# Altium PCB ganhuangguan3.PcbDoc
Units mm, origin at the board's own origin, x right, y up, seen from the top; angles counter-clockwise.
Board outline 197.26 x 14.07 mm, 2 copper layers (Top Layer, Bottom Layer); 17 components, 34 nets, 35 pads, 2 vias.
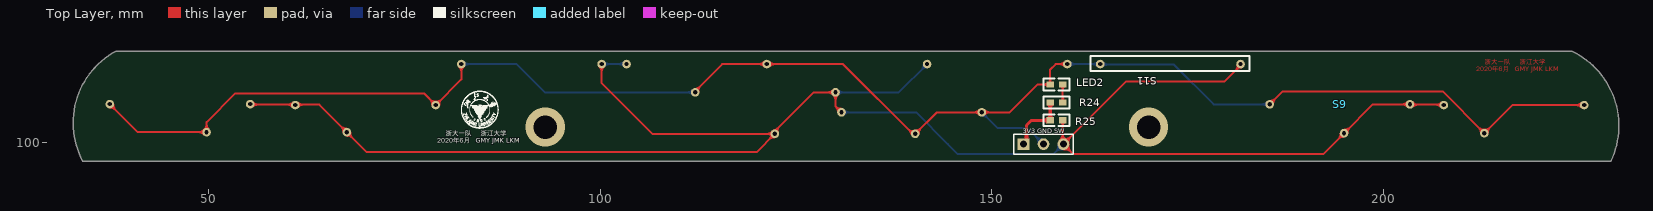
[diagram p0: Top Layer view]
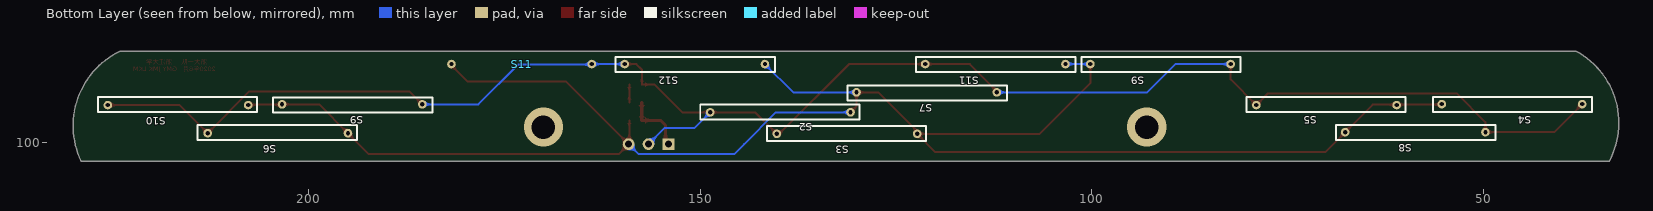
[diagram p1: Bottom Layer view, seen from below]

## Layer stack, top to bottom
Top Solder: solder mask 0.0102, Solder Resist, Dk 3.5
Top Layer: signal copper 0.0356
Dielectric 1: dielectric 0.32, FR-4, Dk 4.8
Bottom Layer: signal copper 0.0356
Bottom Solder: solder mask 0.0102, Solder Resist, Dk 3.5

## Board outline
33.998,97.616 cw(c43.148,102.537) 38.227,111.687 224.029,111.687 cw(c219.469,102.175) 228.981,97.616

## Design rules (kind name [scope] priority, off if disabled: settings)
Clearance [All] p1: gap=0.254 ignorepadtopadclearanceinfootprint=FALSE except(0: Arc-Hole Track-Hole SMDPad-Hole THPad-Hole Via-Hole Fill-Hole Poly-Hole Region-Hole Text-Hole)
MinimumSolderMaskSliver [All] p1: minsoldermaskwidth=0.051
PolygonConnect [All] p1: connectstyle=Relief reliefconductorwidth=0.254 reliefentries=4 polygonreliefangle="90 Angle" airgapwidth=0.254
RoutingVias [All] p1: holewidth=0.711 width=1.27 viastyle="Through Hole" minholewidth=0.711 minwidth=1.27 maxholewidth=0.711 maxwidth=1.27
SilkToSilkClearance [All] p1: silktosilkclearance=0.051
SilkToSolderMaskClearance [IsPad] p1: minsilkscreentomaskgap=0.051 clearancetoexposedcopper=TRUE
SolderMaskExpansion [All] p1: expansion=0.102
Width [All] p1: maxlimit=0.6 minlimit=0.254 preferedwidth=0.254
27 further rules are at their usual default settings.

## Classes and differential pairs
component class Ganhuangguan: LED2 S2 S3 S4 S5 S6 S7 S8 S9

## Components (designator, comment, footprint, x,y, rotation, side; value= is the part's Value field where it differs from the comment)
"3V3 GND SW" "Comment" HDR1X3 154.051,99.822 r0 top
LED2 "0" 0603C 158.242,107.442 r180 top
R24 "Res2" 0603R 158.242,105.156 r180 top value=2.2k
R25 "Res2" 0603C 158.242,102.87 r180 top value=10k
S2 "SW-SPST" SW_REED 148.717,103.886 r180 bottom
S3 "SW-SPST" SW_REED 140.208,101.133 r180 bottom
S4 "SW-SPST" SW_REED 37.433,104.934 r0 bottom
S5 "SW-SPST" SW_REED 79.026,104.807 r180 bottom
S6 "SW-SPST" SW_REED 212.852,101.219 r180 bottom
S7 "SW-SPST" SW_REED 112.141,106.426 r0 bottom
S8 "SW-SPST" SW_REED 49.784,101.346 r0 bottom
S9 "SW-SPST" SW_REED 82.296,110.045 r0 bottom (schematic designator S7)
S9 "SW-SPST" SW_REED 185.452,104.902 r0 top
S10 "SW-SPST" SW_REED 225.584,104.807 r180 bottom (schematic designator S6)
S11 "SW-SPST" SW_REED 103.378,110.045 r0 bottom (schematic designator S7)
S11 "SW-SPST" SW_REED 163.83,110.045 r0 bottom (schematic designator S9)
S12 "SW-SPST" SW_REED 141.732,110.045 r0 bottom (schematic designator S7)

## Footprints (in the part's own frame and the unit in brackets; to place one, negate y for a bottom-side part, rotate by r counter-clockwise, add the part's x,y. Pads: shape width x height; smd on the part's side, far side on the other; paste and mask are expansions set on the pad)
0603C [mil]
  rect 37.5x31 smd: 1(-31.25,0) 2(31.25,0)
  silkscreen extent -65,-30 65,30
0603R [mil]
  rect 37.5x31 smd: 1(-31.25,0) 2(31.25,0)
  silkscreen extent -65,-30 65,30
HDR1X3 [mm] "Connector; Header; 3 Position"
  rect 1.5x1.5 hole 0.9: 1(0,0)
  round 1.5 hole 0.9: 2(2.54,0) 3(5.08,0)
  silkscreen extent -1.27,-1.27 6.35,1.27
SW_REED [mm]
  round 1.1 hole 0.55: 1(0,0) 2(17.907,0)
  silkscreen extent -1.27,-0.89 19.05,1.02

## Part data
LED2: library part LED2, "Typical RED, GREEN, YELLOW, AMBER GaAs LED", LatestRevisionDate=17-Jul-2002, LatestRevisionNote="Re-released for DXP Platform.", PackageDescription="SM LED; 2 Flat Leads", PackageReference=3.2X1.6X1.1, PackageVersion=Feb-2002, Published=8-Jun-2000, Publisher="Altium Limited"
R24 R25: "Resistor", LatestRevisionDate=17-Jul-2002, LatestRevisionNote="Re-released for DXP Platform.", PackageDescription="Axial Device, Thru-Hole; 2 Leads; 0.4 in Pin Spacing", PackageReference=AXIAL-0.4, Published=8-Jun-2000, Publisher="Altium Limited"
S2 S3 S4 S5 S6 S7 S8 S9 S9 S10 S11 S11 S12: "Single-Pole, Single-Throw Switch", LatestRevisionDate=17-Jul-2002, LatestRevisionNote="Re-released for DXP Platform.", PackageDescription="Switch; 2 Leads", PackageReference=SPST-2, Published=24-Mar-1999, Publisher="Altium Limited"

## Via types
v1: diameter 5, hole 3, Top Layer to Bottom Layer, tented both sides, 2 vias

## Nets (pads, with @x,y where several pads share a name; then routed paths per layer and width w, separated by ;. In a path a pad name is that pad's centre, name@x,y a point inside that pad or via, vN(x,y) a via of type N, cw(c..) or ccw(c..) an arc to the next point about the centre after c; other vN are vias at no path point)
A3V3: "3V3 GND SW.1" R24.2 R25.2 | length 8.1
  Top Layer w0.254: 154.051,99.822 154.414,100.185 ; R25.2@157.436,102.857 R25.2 R25.2@157.448,102.838
  Top Layer w0.4: 154.414,100.185 154.414,102.217 155.054,102.857 R25.2@157.436,102.857 ; R25.2 R24.2@157.448,105.124
AGND: "3V3 GND SW.2" LED2.2 S2.1 S3.1 S4.1 S5.1 S6.1 S7.1 S8.1 S9.1 S10.1 S11.1@163.83,110.045 S11.2@121.285,110.045 S12.2 | length 224
  Top Layer w0.254: S4.1 41.021,101.346 S8.1 49.784,102.616 53.467,106.299 77.534,106.299 S5.1 82.296,108.077 S9.1@82.296,110.045 ; S7.1@112.078,106.489 115.57,110.045 121.285,110.045 131.001,110.045 S3.1@140.081,100.965 ; S3.1@140.249,101.133 143.002,103.886 S2.1 152.273,103.886 155.816,107.429 157.436,107.429 LED2.2 157.448,109.347 158.146,110.045 S12.2 ; S9.1@185.452,104.902 187.103,106.553 207.518,106.553 S6.1 216.44,104.807 S10.1
  Bottom Layer w0.254: S9.1@82.296,110.045 89.345,110.045 92.964,106.426 S7.1 ; S2.1 150.749,101.854 154.559,101.854 156.591,99.822 156.718,99.695 ; S12.2 S11.1@163.83,110.045 ; S11.1@163.893,109.982 173.228,109.982 178.308,104.902 S9.1@185.452,104.902
IN1: 
IN2: 
IN3: 
IN4: 
IN5: 
NetC1_1: 
NetC1_2: 
NetC3_1: 
NetC3_2: 
NetC5_1: 
NetC5_2: 
NetC7_1: 
NetC7_2: 
NetLED1_1: 
NetLED2_1: LED2.1 R24.1 | length 2.3
  Top Layer w0.254: R24.1 LED2.1
NetR1_2: 
NetR2_2: 
NetR3_2: 
NetR4_1: 
NetR7_2: 
NetR8_1: 
NetR11_2: 
NetR12_2: 
NetR13_2: 
NetR14_1: 
NetR17_2: 
NetR18_1: 
OUT1: 
OUT2: 
OUT3: 
OUT4: 
SW1: "3V3 GND SW.3" R25.1 S2.2 S3.2 S4.2 S5.2 S6.2 S7.2 S8.2 S9.2 S10.2 S11.1@103.378,110.045 S11.2@181.737,110.045 S12.1 | length 239.7
  Top Layer w0.254: S4.2 55.404,104.87 64.167,104.87 S8.2 70.231,98.806 119.974,98.806 S3.2 106.68,101.133 100.203,107.61 S9.2@100.203,110.045 ; S3.2@122.036,101.208 127.254,106.426 S7.2 130.048,104.648 S2.2 ; 159.036,99.917 R25.1 ; S11.2@181.832,109.95 179.673,107.791 170.18,107.791 167.1,107.791 159.131,99.822 160.401,98.552 160.941,98.552 192.278,98.552 S6.2 198.628,104.902 S9.2@203.359,104.902 ; S9.2@203.359,104.854 207.629,104.854 S10.2
  Bottom Layer w0.254: S9.2@100.203,110.045 S11.1@103.378,110.045 ; S7.2 138.113,106.426 S12.1 ; S2.2 140.335,103.886 144.399,99.822 145.669,98.552 157.861,98.552 159.131,99.822
copper on no net:
  other v1: 93,102 170,102

## Other copper
Top Layer:
  text "浙大一队" at 212.923,109.753 h1.02
  text "浙江大学" at 217.382,109.753 h1.02
  text "2020年6月" at 211.794,108.864 h1.02
  text "GMY JMK LKM" at 216.747,108.864 h1.02

## Silkscreen, mask and mechanical layers (free items; w line width, h text height)
Top Overlay:
  drawing of 1340 lines, arcs and shapes, not listed
  text "浙大一队" at 80.335,100.609 h1.02
  text "浙江大学" at 84.794,100.609 h1.02
  text "2020年6月" at 79.206,99.72 h1.02
  text "GMY JMK LKM" at 84.159,99.72 h1.02
Mechanical 1:
  lines w0.254: 38.227,111.687 ccw(c43.148,102.537) 33.998,97.616 228.981,97.616 ccw(c219.469,102.175) 224.029,111.687 38.281,111.687